# Altium PCB PCB1.PcbDoc
Units mm, origin at the board's own origin, x right, y up, seen from the top; angles counter-clockwise.
Board outline 100 x 70 mm, 2 copper layers (Top Layer, Bottom Layer); 150 components, 152 nets, 619 pads, 1 vias.
Unrouted connection lines stored in the file: 379.
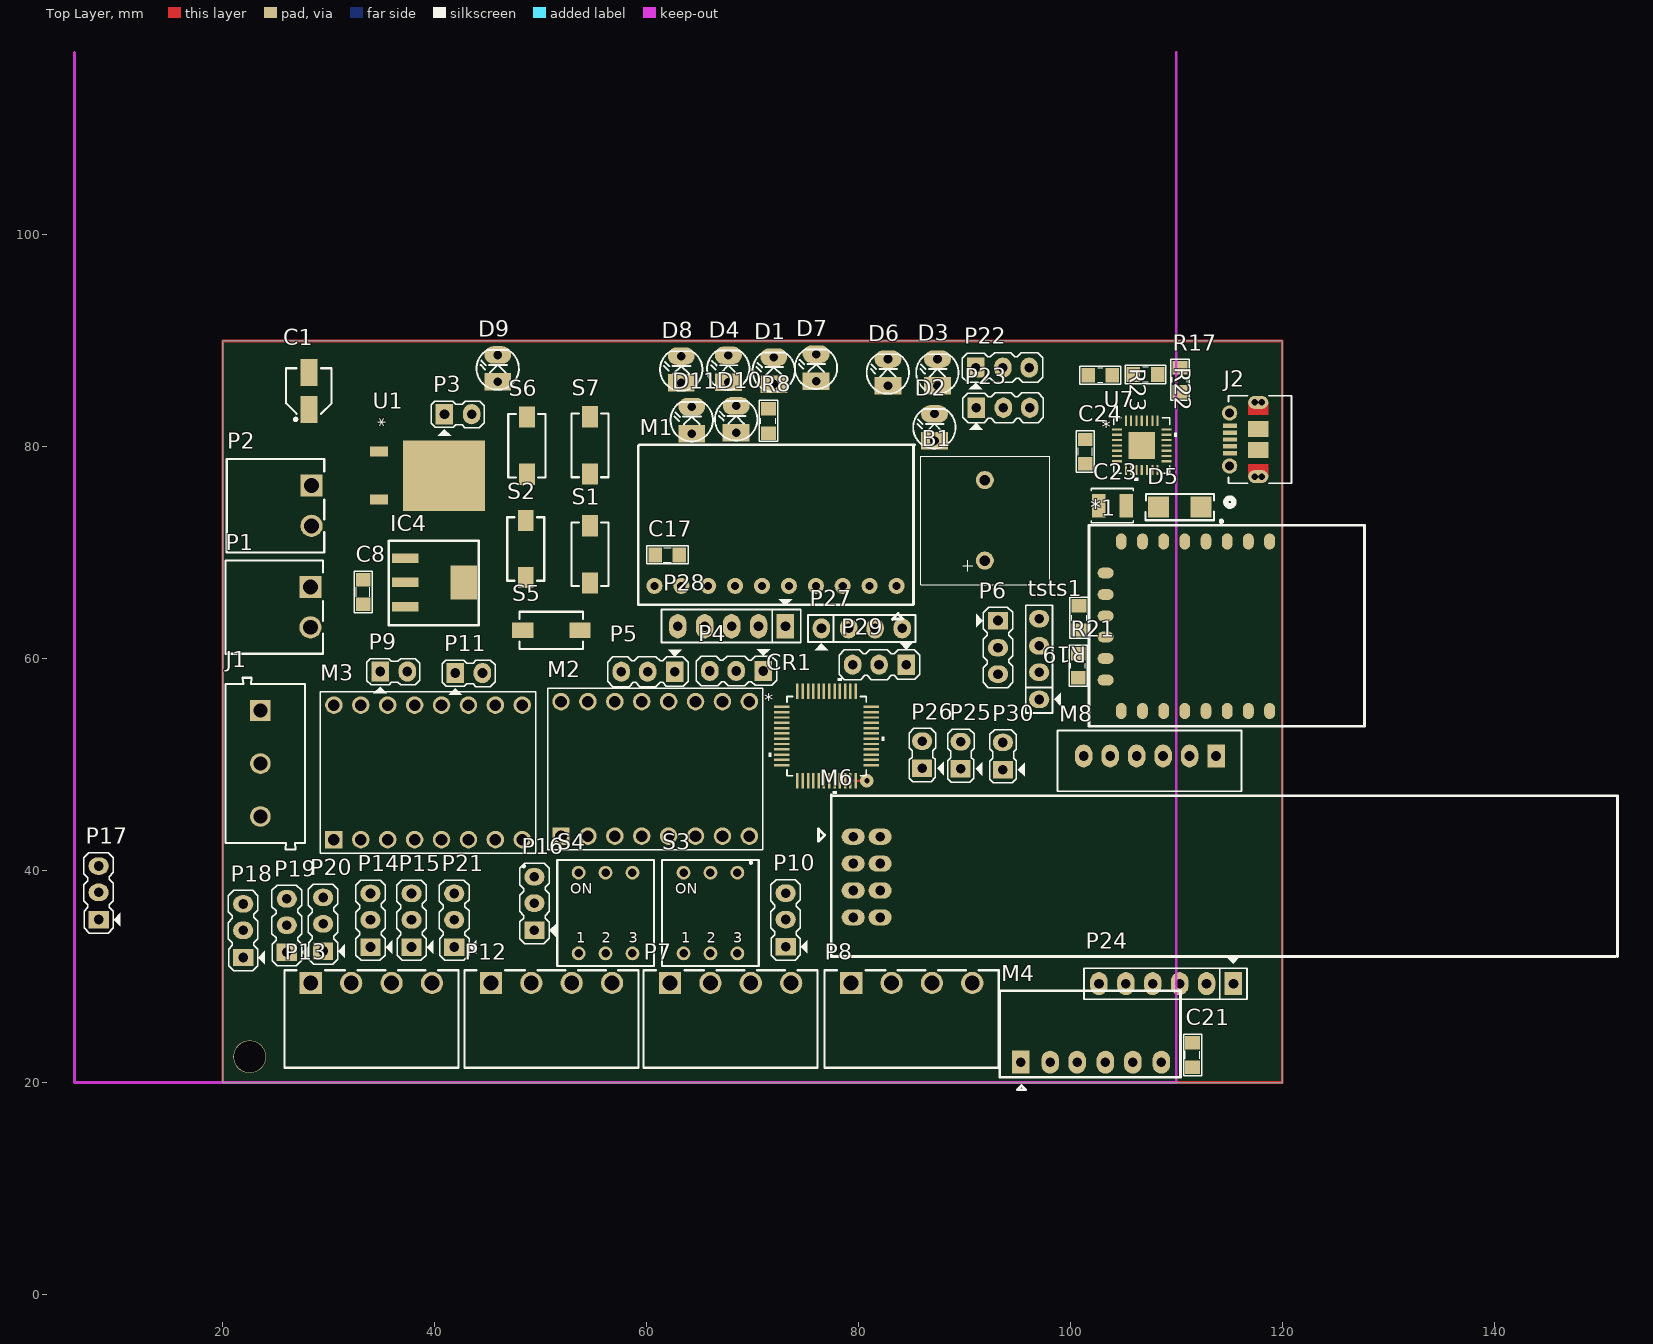
[diagram p0: Top Layer view]
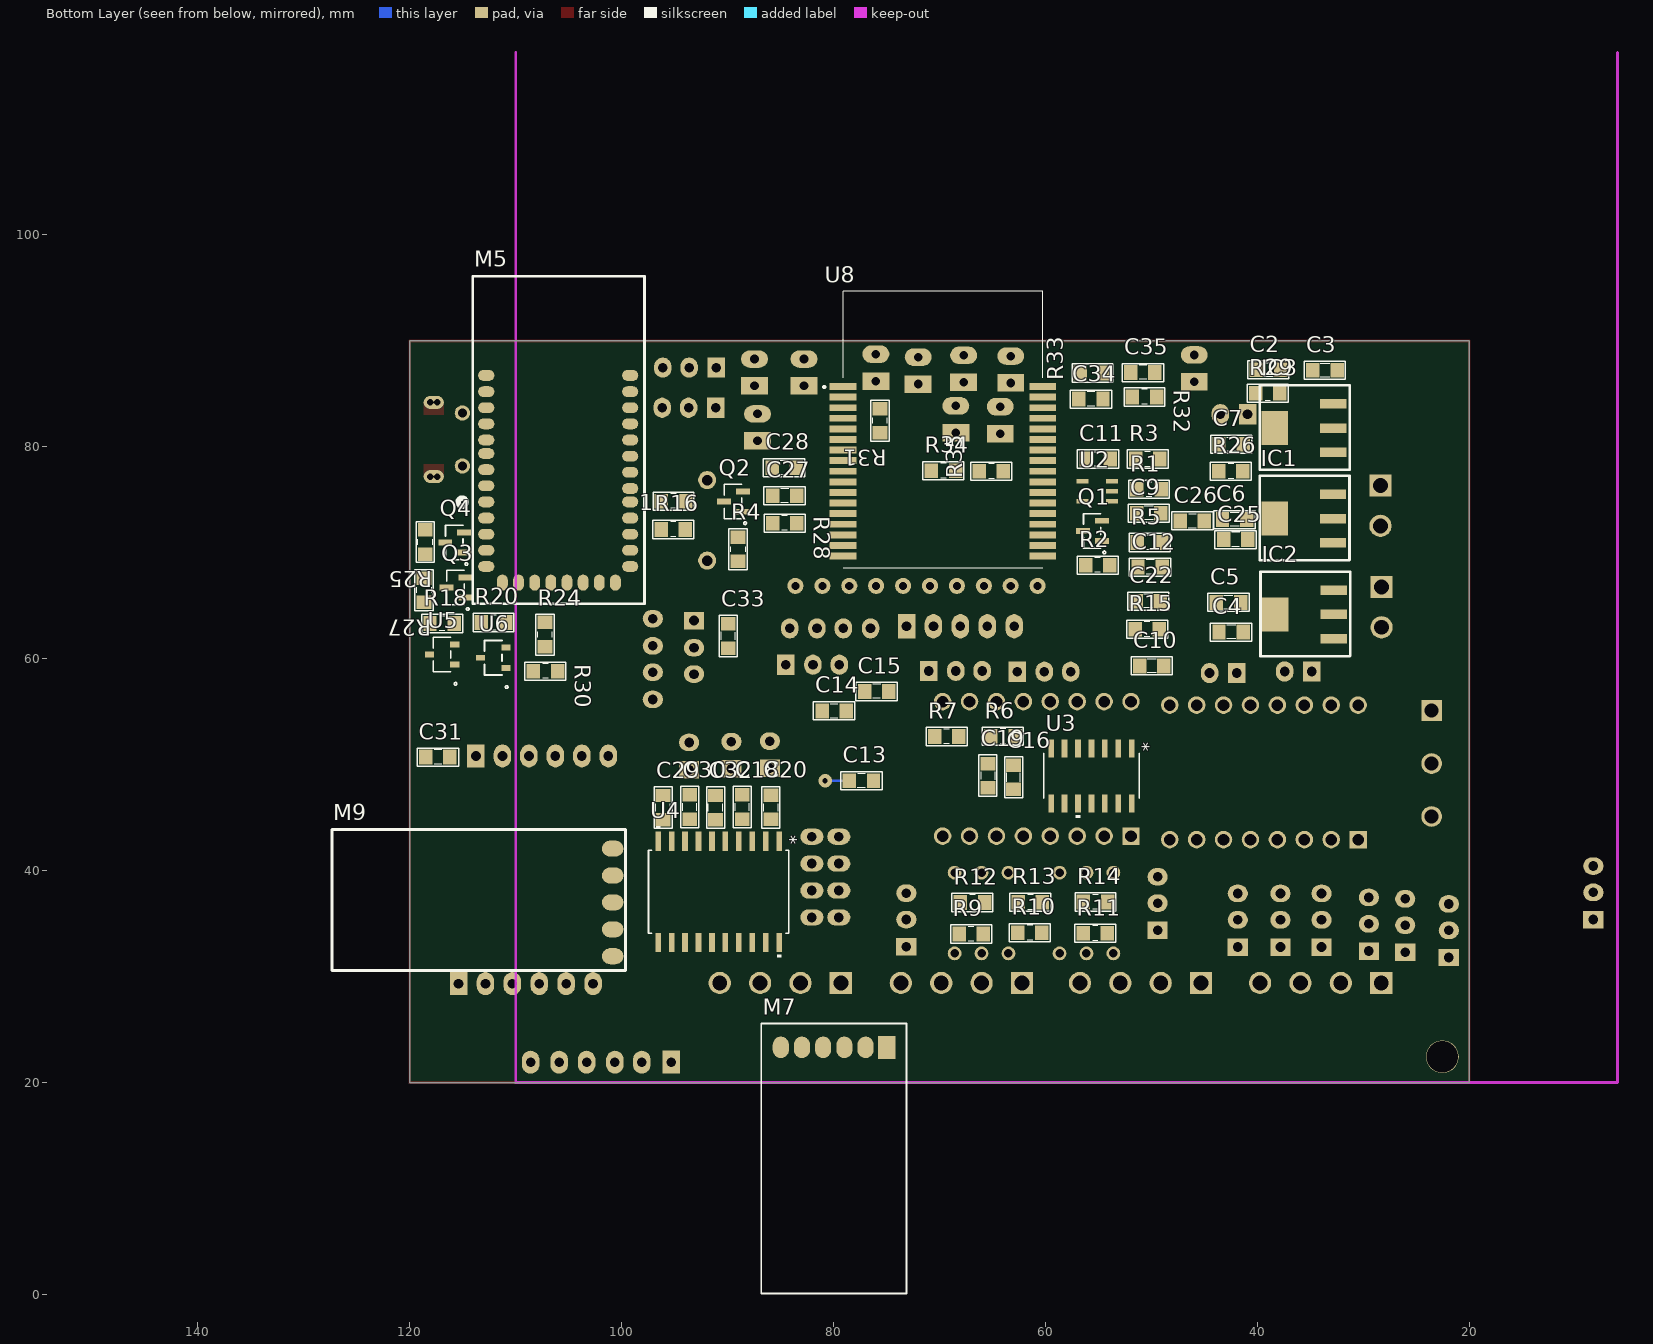
[diagram p1: Bottom Layer view, seen from below]

## Layer stack, top to bottom
Top Solder: solder mask 0.0102, Solder Resist, Dk 3.5
Top Layer: signal copper 0.0356
Dielectric 1: dielectric 0.32, FR-4, Dk 4.8
Bottom Layer: signal copper 0.0356
Bottom Solder: solder mask 0.0102, Solder Resist, Dk 3.5

## Board outline
20,20 20,90 120,90 120,20

## Design rules (kind name [scope] priority, off if disabled: settings)
Clearance [All] p1: gap=0.203 ignorepadtopadclearanceinfootprint=FALSE except(0: Arc-Hole Track-Hole SMDPad-Hole THPad-Hole Via-Hole Fill-Hole Poly-Hole Region-Hole Text-Hole)
DiffPairsRouting [All] p1: maxlimit=0.254 minlimit=0.203 mostfreqgap=0.254 toplayer_minwidth=0.203 toplayer_maxwidth=0.305 toplayer_prefwidth=0.305 bottomlayer_minwidth=0.203 bottomlayer_maxwidth=0.305 bottomlayer_prefwidth=0.305 maxuncoupledlength=12.7
Height [All] p1: minheight=0 maxheight=254 prefheight=12.7
PolygonConnect [All] p1: connectstyle=Relief reliefconductorwidth=0.254 reliefentries=4 polygonreliefangle="90 Angle" airgapwidth=0.254
RoutingVias [All] p1: holewidth=0.508 width=1.27 viastyle="Through Hole" minholewidth=0.381 minwidth=1.27 maxholewidth=0.711 maxwidth=1.27
SolderMaskExpansion [All] p1: expansion=0.102
Width [All] p1: maxlimit=0.381 minlimit=0.203 preferedwidth=0.254 minimp=50.000000 maximp=50.000000 favimp=50.000000
28 further rules are at their usual default settings.

## Classes and differential pairs
component class Sheet8: C3 C4 C15 D5 D6 D7 D8 D9 D10 P17 P20 P24 P25 R5 R21 R28 R29 R30 R31 R32 R33 S6 S7 tsts1 U8
component class Sheet7: C3 C4 C32 C33 M6 M7 M8 M9 P16 P20 P25
component class Sheet6: *1 C23 C24 C28 C29 C31 C33 D1 D4 J2 Q2 Q3 R5 R6 R7 R12 R15 R16 R17 R21 R22 R23 U3 U5 U6
component class Sheet5: 1 C13 C14 D2 D3 M4 M5 P23 P28 R3 R15 S5
component class Sheet4: C5 C12 C28 M1 M3 P1 P3 P11 P12 P13 P14 P15 P17 P19 P22 P23 P24 P25 R6 R12 R13 R14 R24 R26 S1 S2 U3
component class Sheet3: C27 C29 M1 P9 P12 U3
component class Sheet2: B1 C5 C16 C21 C22 C24 CR1 D1 J1 P4 P8 P9 Q2 R1 R4 R6 R10 R12 R24 S1 S2
component class Sheet1: C1 C2 C3 C4 C5 C12 C16 C21 C22 C27 IC1 IC2 IC3 IC4 P2 P8 P9 Q2 R1 U2 U3

## Components (designator, comment, footprint, x,y, rotation, side; value= is the part's Value field where it differs from the comment)
1 "Res-1K-0805" RES-SM-0805 96.241,74.869 r180 bottom value=470
*1 "ESP8266-12F" ESP8266 104.8,71.069 r270 top
B1 "Buzzer 5v" "Buzzer 5v" 91.923,69.266 r90 top
C1 "Cap Pol SMD" "CAP ALU SIZE B" 28.118,85.268 r90 top value=100uF
C2 "Cap-10uF-50V-0805" CAP-SM-0805 40.081,87.274 r180 bottom value=10uF/50V
C3 "Cap-10uF-50V-0805" CAP-SM-0805 34.747,87.224 r180 bottom value=10uF/50V
C4 "Cap-10uF-50V-0805" CAP-SM-0805 43.612,62.535 r180 bottom value=10uF/50V
C5 "Cap-10uF-50V-0805" CAP-SM-0805 41.58,65.303 r0 bottom value=10uF/50V
C6 "Cap-10uF-50V-0805" CAP-SM-0805 43.282,73.152 r180 bottom value=10uF/50V
C7 "Cap-10uF-50V-0805" CAP-SM-0805 41.326,80.239 r0 bottom value=10uF/50V
C8 "Cap-10uF-50V-0805" CAP-SM-0805 33.249,67.437 r270 top value=10uF/50V
C9 "Cap-100nF-50V-0805" CAP-SM-0805 49.098,73.736 r0 bottom value=100nF/50V
C10 "Cap-10uF-50V-0805" CAP-SM-0805 48.819,59.309 r0 bottom value=10uF/50V
C11 "Cap-1nF-50V-0805" CAP-SM-0805 53.873,78.842 r0 bottom value=100nF/50V
C12 "Cap-1nF-50V-0805" CAP-SM-0805 51.257,68.656 r180 bottom value=100nF/50V
C13 "Cap-1nF-50V-0805" CAP-SM-0805 76.225,48.489 r0 bottom value=100nF/50V
C14 "Cap-1nF-50V-0805" CAP-SM-0805 78.791,55.067 r0 bottom value=100nF/50V
C15 "Cap-1nF-50V-0805" CAP-SM-0805 77.064,56.921 r180 bottom value=100nF/50V
C16 "Cap Non-Pol SMD" CAP-SM-0805 63.017,47.676 r90 bottom value=100nF/50V
C17 "Cap-1nF-50V-0805" CAP-SM-0805 63.094,69.799 r180 top value=100nF/50V
C18 "Cap-10uF-50V-0805" CAP-SM-0805 88.621,44.856 r90 bottom value=100nF/50V
C19 "Cap-1nF-50V-0805" CAP-SM-0805 65.405,50.11 r270 bottom value=100uF/16V
C20 "Cap-1nF-50V-0805" CAP-SM-0805 85.903,47.117 r270 bottom value=220uF/35V
C21 "Cap-1nF-50V-0805" CAP-SM-0805 111.531,21.463 r90 top value=100nF/50V
C22 "Cap-1nF-50V-0805" CAP-SM-0805 51.435,65.43 r180 bottom value=100nF/50V
C23 "TAJB107M006RNJ" TAJB107M006RNJ 103.962,74.447 r0 top
C24 "Cap-1nF-50V-0805" CAP-SM-0805 101.397,80.696 r270 top value=1nF/50V
C25 "Cap-1nF-50V-0805" CAP-SM-0805 43.18,71.247 r180 bottom value=10uF/50V
C26 "Cap-1nF-50V-0805" CAP-SM-0805 44.983,73 r0 bottom value=100nF/50V
C27 "Cap-1nF-50V-0805" CAP-SM-0805 85.75,75.387 r180 bottom value=10uF/50V
C28 "Cap-1nF-50V-0805" CAP-SM-0805 85.801,78.029 r180 bottom value=100nF/50V
C29 "Cap-1nF-50V-0805" CAP-SM-0805 96.088,44.806 r90 bottom value=100nF/50V
C30 "Cap-1nF-50V-0805" CAP-SM-0805 93.574,44.856 r90 bottom value=100nF/50V
C31 "Cap-1nF-50V-0805" CAP-SM-0805 118.491,50.724 r180 bottom value=100nF/50V
C32 "Cap-1nF-50V-0805" CAP-SM-0805 91.135,44.806 r90 bottom value=100nF/50V
C33 "Cap-1nF-50V-0805" CAP-SM-0805 89.941,61.011 r90 bottom value=100nF/50V
C34 "Cap-4.7uF-50V-0805" CAP-SM-0805 56.845,84.506 r180 bottom value=100nF/50V
C35 "Cap-4.7uF-50V-0805" CAP-SM-0805 51.943,87.02 r180 bottom value=100nF/50V
CR1 "STM32F103C8T6" STM32F103C8T6 76.987,52.705 r0 top locked
D1 "LED-RED-TH-3mm" LED-3mm 72.009,85.928 r90 top value=Red,2V
D2 "LED-BLUE-TH-3mm" LED-3mm 87.173,80.569 r90 top value=Blue,2V
D3 "LED-RED-TH-3mm" LED-3mm 87.452,85.75 r90 top value=Red,2V
D4 "LED-RED-TH-3mm" LED-3mm 67.716,86.106 r90 top value=Red
D5 "SS14" SS14 110.319,74.32 r180 top
D6 "LED-RED-TH-3mm" LED-3mm 82.779,85.75 r90 top value=Red
D7 "LED-RED-TH-3mm" LED-3mm 75.997,86.208 r90 top value=Red
D8 "LED-BLUE-TH-3mm" LED-3mm 63.271,86.03 r90 top value=Blue
D9 "LED-GREEN-TH-3mm" LED-3mm 45.949,86.131 r90 top value=Green
D10 "LED-RED-TH-3mm" LED-3mm 68.453,81.331 r90 top value=Red,2V
D11 "LED-RED-TH-3mm" LED-3mm 64.262,81.255 r90 top value=Red,2V
IC1 "AMS1117" AMS1117 35.611,73.228 r90 bottom
IC2 "AMS1117" AMS1117 35.535,64.186 r90 bottom
IC3 "AMS1117" AMS1117 35.585,81.763 r90 bottom
IC4 "AMS1117" AMS1117 39.98,67.208 r270 top
J1 "691102710003" 691102710003 23.996,50.11 r270 top
J2 "105017-0001" CONN_105017-0001 117.899,80.695 r90 top
M1 "GY 9250" "GY 9250" 83.591,66.878 r90 top locked
M2 "DRV8825" DRV8825 60.808,49.606 r90 top
M3 "DRV8825" DRV8825 39.37,49.276 r90 top
M4 "HC05-06-TH" HC-05-06-TH 95.301,21.92 r270 top
M5 "HC-05-06-SMD" HC-05-06-SMD 112.776,68.707 r180 bottom
M6 "NRF24L01" NRF24L01 79.502,43.205 r180 top
M7 "LC12S" LC12S 74.975,23.317 r90 bottom
M8 "Holybro Radio" Holybro 113.748,50.825 r90 top
M9 "HC12" HC12 100.836,42.08 r0 bottom
P1 "691322310002" 691322310002 24.867,64.872 r270 top
P2 "691322310002" 691322310002 24.968,74.447 r270 top
P3 "Header 2" JP2 40.919,83.083 r0 top
P4 "Header 3" jp3 68.478,58.852 r180 top
P5 "" jp3 60.122,58.776 r180 top
P6 "" jp3 93.167,61.062 r270 top
P7 "691322310004" 691322310004 67.925,26 r0 top
P8 "691322310004" 691322310004 85.02,26 r0 top
P9 "Header 2" JP2 34.849,58.801 r0 top
P10 "Header 3" JP3 73.127,35.357 r90 top
P11 "Header 2" JP2 41.935,58.649 r0 top
P12 "691322310004" 691322310004 51.02,26 r0 top
P13 "691322310004" 691322310004 34.02,26 r0 top
P14 "Header 3" JP3 33.931,35.33 r90 top
P15 "Header 3" JP3 37.813,35.33 r90 top
P16 "Header 3" JP3 49.403,36.906 r90 top
P17 "Header 3" JP3 8.28,37.922 r90 top
P18 "Header 3" JP3 21.92,34.341 r90 top
P19 "Header 3" JP3 26.035,34.823 r90 top
P20 "Header 3" JP3 29.464,34.95 r90 top
P21 "Header 3" JP3 41.839,35.33 r90 top
P22 "Header 3" JP3 93.599,87.478 r0 top
P23 "Header 3" JP3 93.65,83.693 r0 top
P24 "Header 6" JP6 115.392,29.337 r180 top
P25 "Header 2" JP2 89.637,49.606 r90 top
P26 "Header 2" JP2 86.004,49.657 r90 top
P27 "Header 4" JP4 79.045,62.865 r0 top
P28 "Header 5" JP5 73.101,63.068 r180 top
P29 "Header 3" JP3 81.966,59.436 r180 top
P30 "Header 2" JP2 93.624,49.53 r90 top
Q1 "MMBT3904-1AM" SOT23_NEX 55.581,72.072 r90 bottom
Q2 "MMBT3904-1AM" SOT23_NEX 89.484,74.828 r90 bottom
Q3 "S8050" SOT23_NEX 115.663,66.726 r90 bottom
Q4 "S8050" SOT23_NEX 115.799,70.968 r90 bottom
R1 "Res-1K-0805" RES-SM-0805 49.073,75.997 r0 bottom value=4.7K
R2 "Res-1K-0805" RES-SM-0805 56.21,68.834 r180 bottom value=100K
R3 "Res-0-0805" RES-SM-0805 49.2,78.842 r0 bottom value=10K
R4 "Res-12K-0805" RES-SM-0805 89.002,71.476 r270 bottom value=15K
R5 "Res-0-0805" RES-SM-0805 51.308,70.968 r180 bottom value=10K
R6 "Res-1K-0805" RES-SM-0805 65.151,52.68 r180 bottom value=100K
R7 "Res-1K-0805" RES-SM-0805 70.46,52.654 r180 bottom value=100K
R8 "Res-0-0805" RES-SM-0805 71.501,81.305 r90 top value=10K
R9 "Res-1K-0805" RES-SM-0805 68.148,34.011 r180 bottom value=1K
R10 "Res-1K-0805" RES-SM-0805 62.611,34.138 r180 bottom value=1K
R11 "Res-1K-0805" RES-SM-0805 56.439,34.087 r180 bottom value=1K
R12 "Res-1K-0805" RES-SM-0805 68.026,37 r180 bottom value=1K
R13 "Res-1K-0805" RES-SM-0805 62.56,37.008 r180 bottom value=1K
R14 "Res-1K-0805" RES-SM-0805 56.413,37.033 r180 bottom value=1K
R15 "Res-0-0805" RES-SM-0805 49.251,62.789 r0 bottom value=10K
R16 "Res-1K-0805" RES-SM-0805 96.266,72.212 r180 bottom value=470
R17 "Res-0-0805" RES-SM-0805 110.338,85.192 r90 top value=12K
R18 "Res-470-0805" RES-SM-0805 118.085,63.322 r180 bottom value=1K
R19 "Res-0-0805" RES-SM-0805 100.813,64.999 r270 top value=12K
R20 "Res-470-0805" RES-SM-0805 110.947,63.424 r0 bottom value=1K
R21 "Res-0-0805" RES-SM-0805 100.736,58.191 r90 top value=12K
R22 "Res-0-0805" RES-SM-0805 105.943,86.843 r0 top value=12K
R23 "Res-0-0805" RES-SM-0805 101.676,86.766 r0 top value=12K
R24 "Res-470-0805" RES-SM-0805 107.239,63.424 r270 bottom value=1K
R25 "Res-0-0805" RES-SM-0805 118.542,72.161 r270 bottom value=12K
R26 "Res-470-0805" RES-SM-0805 41.351,77.699 r0 bottom value=1K
R27 "Res-0-0805" RES-SM-0805 118.643,67.615 r270 bottom value=12K
R28 "Res-0-0805" RES-SM-0805 85.75,72.796 r180 bottom value=1K
R29 "Res-0-0805" RES-SM-0805 37.871,85.065 r0 bottom value=1K
R30 "Res-0-0805" RES-SM-0805 108.331,58.826 r180 bottom value=1K
R31 "Res-0-0805" RES-SM-0805 75.616,83.617 r270 bottom value=1K
R32 "Res-1K-0805" RES-SM-0805 51.791,84.709 r180 bottom value=10K
R33 "Res-1K-0805" RES-SM-0805 54.407,86.97 r0 bottom value=10K
R34 "Res-1K-0805" RES-SM-0805 68.478,77.749 r0 bottom value=1K
R35 "Res-1K-0805" RES-SM-0805 63.957,77.699 r0 bottom value=1K
S1 "434113043826" 434113043826 54.661,69.85 r90 top
S2 "434113043826" 434113043826 48.59,70.358 r90 top
S3 "418117170903" 418117170903 66.026,36 r0 top
S4 "418117170903" 418117170903 56.121,36 r0 top
S5 "434113043826" 434113043826 51.003,62.687 r180 top
S6 "434113043826" 434113043826 48.692,80.112 r90 top
S7 "434113043826" 434113043826 54.661,80.137 r90 top
tsts1 "Header 4" JP4 97.053,58.699 r90 top
U1 "L7805-SMD" L7805-SMD 40.869,77.292 r270 top
U2 "XC6204B181MR" XC6204B332MR 55.118,75.819 r0 bottom
U3 "74HC14D,652" 74HC14D,652 55.651,48.946 r270 bottom
U4 "74HC245" 74HC245,625 90.836,38 r270 bottom
U5 "IRLML6402TRPBF" IRLML6402TRPBF 116.942,60.401 r90 bottom
U6 "IRLML6402TRPBF" IRLML6402TRPBF 112.116,60.096 r90 bottom
U7 "CP2102-GM" cp2102-gm 106.734,80.137 r0 top
U8 "DWM1001" DWM1001 69.977,81.61 r180 bottom

## Footprints (in the part's own frame and the unit in brackets; to place one, negate y for a bottom-side part, rotate by r counter-clockwise, add the part's x,y. Pads: shape width x height; smd on the part's side, far side on the other; paste and mask are expansions set on the pad)
74HC14D,652 [mil]
  rect 67x21 smd paste+0 mask+0: 1(-102.5,150) 2(-102.5,100) 3(-102.5,50) 4(-102.5,0) 5(-102.5,-50) 6(-102.5,-100) 7(-102.5,-150) 8(102.5,-150) 9(102.5,-100) 10(102.5,-50) 11(102.5,0) 12(102.5,50) 13(102.5,100) 14(102.5,150)
  silkscreen extent -84,-177 156,177, body extent -122,-172 122,172, height 69
74HC245,625 [mil]
  rect 71x21 smd paste+0 mask+0: 1(-188,225) 2(-188,175) 3(-188,125) 4(-188,75) 5(-188,25) 6(-188,-25) 7(-188,-75) 8(-188,-125) 9(-188,-175) 10(-188,-225) 11(188,-225) 12(188,-175) 13(188,-125) 14(188,-75) 15(188,-25) 16(188,25) 17(188,75) 18(188,125) 19(188,175) 20(188,225)
  silkscreen extent -244,-261 244,261, body extent -209,-256 209,256, height 104
418117170903 [mm] "2.54 mm compact THT with flat actuator, 3p"
  round 1.3 hole 0.8: 1(-2.54,-3.81) 2(0,-3.81) 3(2.54,-3.81) 4(2.54,3.81) 5(0,3.81) 6(-2.54,3.81)
  silkscreen extent -4.56,-5 4.56,5, body extent -4.46,-4.95 4.46,4.95, height 5.75
434113043826 [mm] "SMD Tact Switch, body 6x3.5mm"
  rect 2x1.5 smd: 1(-2.7,0) 2(2.7,0)
  silkscreen extent -3,-1.75 3,1.75, body extent -3.65,-1.75 3.65,1.75, height 4.3
691102710003 [mm] "5,00mm - modular - blue - Horizontal entry with pressure clamp - 9,9 mm height - 03p"
  rect 1.95x1.95 hole 1.3: 1(-5,-0.45)
  round 1.95 hole 1.3: 2(0,-0.45) 3(5,-0.45)
  silkscreen extent -8.1,-3.75 8.1,3.75, body extent -8.1,-3.75 8.1,3.75, height 9.96
691322310002 [mm] "Horizontal PCB Header, pitch 3.81mm, 02p"
  rect 2.1x2.1 hole 1.4: 1(-1.905,3.4)
  round 2.1 hole 1.4: 2(1.905,3.4)
  silkscreen extent -4.4,-4.6 4.41,4.6, body extent -4.4,-4.6 4.41,4.6, height 7.25
691322310004 [mm] "Horizontal PCB Header, pitch 3.81mm, 04p"
  rect 2.1x2.1 hole 1.4: 1(-5.715,3.4)
  round 2.1 hole 1.4: 2(-1.905,3.4) 3(1.905,3.4) 4(5.715,3.4)
  silkscreen extent -8.21,-4.6 8.22,4.6, body extent -8.21,-4.6 8.21,4.6, height 7.25
AMS1117 [mil]
  rect 35x98 smd paste+0 mask+3: 1(-90.16,-108.5) 2(0,-108.5) 3(90.16,-108.5)
  rect 126x98 smd paste+0 mask+3: 4(0,108.5)
  silkscreen extent -155,-170 159,164, body extent -132,-143 132,145, height 71
"Buzzer 5v" [mm]
  round 1.7 hole 1 mask+0.05: 1(0,0) 2(7.6,0)
  silkscreen extent -2.27,-6.12 9.85,6.02, body extent -2.2,-6.05 9.8,5.95, height 9.5
"CAP ALU SIZE B" [mm] "Capacitor, Aluminium Electrolytric, 4.3mm L X 4.3mm W X 5.4mm H, IPC Medium Density"
  rect 2.55x1.6 smd: 1(-1.75,0) 2(1.75,0)
  silkscreen extent -2.8,-2.15 2.15,2.15, body extent -2.75,-2.25 2.75,2.25, height 5.7
CAP-SM-0805 [mil]
  rect 50x55 smd: 1(0,0) 2(90,0)
  silkscreen extent -32,-34 121,33, body extent 6,-25 84,25, height 31
CONN_105017-0001 [mil]
  rect 16x53 smd: 1(-51.18,112) 2(-25.59,112) 3(0,112) 4(25.59,112) 5(51.18,112)
  round 57 hole 33: 6(-98.43,112.98) 7(98.43,112.98)
  rect 59x75 smd: 10(-39.37,6.69) 11(39.37,6.69)
  oval 48x75 hole 1 mask+0: S_1(-137.8,6.69) S_2(137.8,6.69)
  round 24 hole 24: S_1_H1(-137.8,20.19) S_1_H2(-137.8,-6.81) S_2_H1(137.8,20.19) S_2_H2(137.8,-6.81)
  Top Layer region: 91.8,-30.81 91.8,44.19 137.8,44.19 137.8,-30.81
  Top Layer region: -91.8,-30.81 -91.8,44.19 -137.8,44.19 -137.8,-30.81
  Multi-Layer lines w24: -137.8,20.19 -137.8,-6.81 ; 137.8,20.19 137.8,-6.81
  silkscreen extent -247,-117 162,127, body extent -161,-95 161,118, height 108
cp2102-gm [mil]
  rect 38x8 smd paste+0 mask+0: 1(-91.5,59.06) 2(-91.5,39.37) 3(-91.5,19.68) 4(-91.5,0) 5(-91.5,-19.68) 6(-91.5,-39.37) 7(-91.5,-59.06) 15(91.5,-59.06) 16(91.5,-39.37) 17(91.5,-19.68) 18(91.5,0) 19(91.5,19.68) 20(91.5,39.37) 21(91.5,59.06)
  rect 8x38 smd paste+0 mask+0: 8(-59.06,-91.5) 9(-39.37,-91.5) 10(-19.68,-91.5) 11(0,-91.5) 12(19.69,-91.5) 13(39.37,-91.5) 14(59.06,-91.5) 22(59.06,91.5) 23(39.37,91.5) 24(19.69,91.5) 25(0,91.5) 26(-19.68,91.5) 27(-39.37,91.5) 28(-59.06,91.5)
  rect 100x100 smd paste-65.5 mask+0: 29(0,0)
  silkscreen extent -104,-130 130,104, body extent -98,-98 99,99, height 37
DRV8825 [mm]
  round 1.65 hole 1.1: 1(-6.35,-8.89) 2(-6.35,-6.35) 3(-6.35,-3.81) 4(-6.35,-1.27) 5(-6.35,1.27) 6(-6.35,3.81) 7(-6.35,6.35) 9(6.35,8.89) 10(6.35,6.35) 11(6.35,3.81) 12(6.35,1.27) 13(6.35,-1.27) 14(6.35,-3.81) 15(6.35,-6.35) 16(6.35,-8.89)
  rect 1.65x1.65 hole 1.1: 8(-6.35,8.89)
  silkscreen extent -8.95,-10.16 7.62,10.16, body extent -7.75,-10.03 7.49,10.29, height 5.89
DWM1001 [mm]
  rect 2.54x0.65 smd: 1(-9.115,4.085) 2(-9.115,3.085) 3(-9.115,2.085) 4(-9.115,1.085) 5(-9.115,0.085) 6(-9.115,-0.915) 7(-9.115,-1.915) 8(-9.115,-2.915) 9(-9.115,-3.915) 10(-9.115,-4.915) 11(-9.115,-5.915) 12(-9.115,-6.915) 13(-9.115,-7.915) 14(-9.115,-8.915) 15(-9.115,-9.915) 16(-9.115,-10.915) 17(-9.115,-11.915) 18(9.725,-11.915) 19(9.725,-10.915) 20(9.725,-9.915) 21(9.725,-8.915) 22(9.725,-7.915) 23(9.725,-6.915) 24(9.725,-5.915) 25(9.725,-4.915) 26(9.725,-3.915) 27(9.725,-2.915) 28(9.725,-1.915) 29(9.725,-0.915) 30(9.725,0.085) 31(9.725,1.085) 32(9.725,2.085) 33(9.725,3.085) 34(9.725,4.085)
  silkscreen extent -10.99,-13.07 9.72,13.07, body extent -9.23,-13.01 9.9,13.11, height 3.2
ESP8266 [mil]
  oval 60x40 smd: 1(0,551.18) 2(0,472.44) 3(0,393.7) 4(0,314.96) 5(0,236.22) 6(0,157.48) 7(0,78.74) 8(0,0) 15(629.92,0) 16(629.92,78.74) 17(629.92,157.48) 18(629.92,236.22) 19(629.92,314.96) 20(629.92,393.7) 21(629.92,472.44) 22(629.92,551.18)
  oval 40x60 smd: 9(117,-58) 10(197,-58) 11(277,-58) 12(355,-58) 13(435,-58) 14(515,-58)
  silkscreen extent -60,-120 687,904, body extent 1,-60 631,885, height 104
"GY 9250" [mil]
  round 60 hole 30: 1(0,900) 2(0,800) 3(0,700) 4(0,600) 5(0,500) 6(0,400) 7(0,300) 8(0,200) 9(0,100) 10(0,0)
  silkscreen extent -125,-68 525,960, body extent -60,-50 530,950, height 267
HC12 [mil]
  oval 80x60 smd: 1(0,0) 2(0,100) 3(0,200) 4(0,300) 5(0,400)
  silkscreen extent -47,-71 1043,453, body extent -47,-71 1043,453, height 1025
HC-05-06-SMD [mil]
  oval 60x40 smd: 1(0,710) 2(0,650) 3(0,590) 4(0,530) 5(0,470) 6(0,420) 7(0,360) 8(0,300) 9(0,240) 10(0,180) 11(0,120) 12(0,60) 13(0,0) 22(535,0) 23(535,60) 24(535,120) 25(535,180) 26(535,240) 27(535,290) 28(535,350) 29(535,410) 30(535,470) 31(535,530) 32(535,590) 33(535,650) 34(535,710)
  oval 40x60 smd: 14(60,-60) 15(120,-60) 16(180,-60) 17(240,-60) 18(300,-60) 19(360,-60) 20(420,-60) 21(480,-60)
  silkscreen extent -50,-138 588,1079, body extent -9,-68 543,1035, height 93
HC-05-06-TH [mil]
  rect 85x65 hole 36: 1(0,0)
  oval 85x65 hole 36: 2(0,110) 3(0,210) 4(0,315) 5(0,417) 6(0,523)
  silkscreen extent -265,-78 103,594, body extent -242,-49 16,581, height 1628
Holybro [mil]
  rect 85x65 hole 36: 1(0,0)
  oval 85x65 hole 36: 2(0,98.43) 3(0,196.85) 4(0,295.28) 5(0,393.7) 6(0,492.13)
  silkscreen extent -131,-94 94,589, body extent -134,-96 96,588, height 284
IRLML6402TRPBF [mil]
  rect 22x34 smd paste+0 mask+0: 1(-37.5,-47) 2(37.5,-47) 3(0,47)
  silkscreen extent -114,-55 64,33, body extent -59,-50 59,50, height 43
JP2 [mil]
  rect 65x75 hole 36: 1(0,0)
  oval 65x75 hole 36: 2(101,0)
  silkscreen extent -49,-81 148,48, body extent -48,-50 148,48, height 323
jp3 [mil] "Jumper 3"
  rect 65x75 hole 36: 1(-100,0)
  oval 65x75 hole 36: 2(1,0) 3(99,0)
  silkscreen extent -150,-81 149,55, body extent -150,-60 150,55, height 355
JP3 [mil] "Jumper 3"
  rect 65x75 hole 36: 1(-100,0)
  oval 65x75 hole 36: 2(1,0) 3(99,0)
  silkscreen extent -150,-81 149,55, body extent -150,-60 150,55, height 355
JP4 [mil] "Jumper 4"
  oval 65x75 hole 36: 1(-100,0) 2(1,0) 3(99,0) 4(200,0)
  silkscreen extent -150,-81 250,50, body extent -148,-48 248,50, height 323
JP5 [mil] "JP5"
  rect 65x90 hole 36: 1(0,0)
  oval 65x90 hole 36: 2(100,0) 3(200,0) 4(300,0) 5(400,0)
  silkscreen extent -57,-101 461,60, body extent -48,-53 448,45, height 323
JP6 [mil] "JP6"
  rect 65x85 hole 36: 1(0,0)
  oval 65x85 hole 36: 2(100,0) 3(200,0) 4(300,0) 5(400,0) 6(500,0)
  silkscreen extent -50,-99 556,58, body extent -48,-50 548,48, height 323
L7805-SMD [mil]
  rect 37x67 smd paste+0 mask+0: 1(-88.58,-240.5) 2(88.58,-240.5)
  rect 262x304 smd paste+0 mask+0: 3(0,0)
  body extent -130,-252 130,93, height 95
LC12S [mil]
  rect 85x65 smd: 1(0,0)
  oval 80x60 smd: 2(0,78.74) 3(0,157.48) 4(0,236.22) 5(0,314.96) 6(0,393.7)
  silkscreen extent -914,-73 89,466, body extent -914,-236 3,466, height 87
LED-3mm [mil] "LED 2 PIN, 3ly Only colour"
  rect 65x100 hole 32: 1(0,0)
  oval 65x100 hole 32: 2(100,0)
  silkscreen extent -29,-78 118,79, body extent -25,-75 113,75, height 217
NRF24L01 [mil]
  oval 86x60 hole 36: 1(0,0) 2(-100,0) 3(0,100) 4(-100,100) 5(0,200) 6(-100,200) 7(0,300) 8(-100,300)
  silkscreen extent -2840,-155 129,445, body extent -2831,-155 82,445, height 3661
RES-SM-0805 [mil]
  rect 50x55 smd: 1(0,0) 2(90,0)
  silkscreen extent -31,-34 121,34, body extent -5,-24 95,25, height 20
SOT23_NEX [mil]
  rect 22x52 smd paste+0 mask+4: 1(-37.5,-37.21) 2(37.5,-37.21) 3(0,33.36)
  silkscreen extent -85,-50 64,33, body extent -59,-54 59,44, height 43
SS14 [mm] "DO-214-AC/SMA Molded Diode, Body 5.3x2.6mm, IPC Medium Density"
  rect 1.999x1.999 smd: 1(-2,0) 2(2,0)
  silkscreen extent -4.06,-1.22 3.23,1.47, body extent -2.75,-1.4 2.75,1.4, height 2.3
STM32F103C8T6 [mil]
  rect 58x9 smd paste+0 mask+0: 1(-166,108.27) 2(-166,88.58) 3(-166,68.9) 4(-166,49.21) 5(-166,29.53) 6(-166,9.84) 7(-166,-9.84) 8(-166,-29.53) 9(-166,-49.21) 10(-166,-68.9) 11(-166,-88.58) 12(-166,-108.27) 25(166,-108.27) 26(166,-88.58) 27(166,-68.9) 28(166,-49.21) 29(166,-29.53) 30(166,-9.84) 31(166,9.84) 32(166,29.53) 33(166,49.21) 34(166,68.9) 35(166,88.58) 36(166,108.27)
  rect 9x58 smd paste+0 mask+0: 13(-108.27,-166) 14(-88.58,-166) 15(-68.9,-166) 16(-49.21,-166) 17(-29.53,-166) 18(-9.84,-166) 19(9.84,-166) 20(29.53,-166) 21(49.21,-166) 22(68.9,-166) 23(88.58,-166) 24(108.27,-166) 37(108.27,166) 38(88.58,166) 39(68.9,166) 40(49.21,166) 41(29.53,166) 42(9.84,166) 43(-9.84,166) 44(-29.53,166) 45(-49.21,166) 46(-68.9,166) 47(-88.58,166) 48(-108.27,166)
  silkscreen extent -215,-215 215,215, body extent -180,-182 182,180, height 63
TAJB107M006RNJ [mil]
  rect 49.98x87 smd paste+0 mask+0: 1(-51.01,0) 2(51.01,0)
  silkscreen extent -78,-64 78,64, body extent -73,-59 73,59, height 85
XC6204B332MR [mil]
  rect 44.5x17 smd paste+0 mask+0: 1(-54.75,37.4) 2(-54.75,0) 3(-54.75,-37.4) 4(54.75,-37.4) 5(54.75,37.4)
  body extent -55,-57 55,57, height 51

## Part data
1 R1 R2 R6 R7 R9 R10 R11 R12 R13 R14 R16 R32 R33 R34 R35: "RES 1K OHM 1% 1/4W 0805", Manufacturer="Stackpole Electronics Inc", Manufacturer Part Number=RNCP0805FTD1K00, Supplier 1 Part Number=RNCP0805FTD1K00CT-ND, Local Supplier=thegioiic, Local Supplier Link=https://thegioiic.com/products/dien-tro-1k-ohm-0805-5, Supplier 1=Digikey, Supplier 1 Link=https://www.digikey.com/product-detail/en/stackpole-electronics-inc/RNCP0805FTD1K00/RNCP0805FTD1K00CT-ND/2240568
C1: "Polarized Capacitor (Radial)"
C2 C3 C4 C5 C6 C7 C8 C10 C18: "CAP CER 10UF 50V X5R 0805", Manufacturer=Yageo, Manufacturer Part Number=CC0805KKX5R9BB106, Supplier 1 Part Number=311-3499-2-ND, Local Supplier=thegioiic, Local Supplier Link=https://thegioiic.com/products/tu-10uf-50v-0805, Supplier 1=Digikey, Supplier 1 Link=https://www.digikey.com/product-detail/en/yageo/CC0805KKX5R9BB106/311-3499-2-ND/7164383
C9: "CAP CER 0.1UF 50V Y5V 0805", Manufacturer="Samsung Electro-Mechanics", Manufacturer Part Number=CL21F104ZBCNNNC, Supplier 1 Part Number=1276-1007-1-ND, Local Supplier=thegioiic, Local Supplier Link=https://thegioiic.com/products/tu-100nf-0-1uf-50v-0805, Supplier 1=Digikey, Supplier 1 Link=https://www.digikey.com/product-detail/en/samsung-electro-mechanics/CL21F104ZBCNNNC/1276-1007-1-ND/3889093
C11 C12 C13 C14 C15 C17 C19 C20 C21 C22 C24 C25 C26 C27 C28 C29 C30 C31 C32 C33: "CAP CER 1000PF 100V X7R 0805", Manufacturer="Johanson Dielectrics Inc.", Manufacturer Part Number=101X15W102MV4E, Supplier 1 Part Number=709-1335-1-ND, Local Supplier=thegioiic, Local Supplier Link=https://thegioiic.com/products/tu-1nf-50v-0805, Supplier 1=Digikey, Supplier 1 Link=https://www.digikey.com/product-detail/en/johanson-dielectrics-inc/101X15W102MV4E/709-1335-1-ND/2327235
C16: "Capacitor"
C34 C35: "CAP CER 4.7UF 50V X5R 0805", Manufacturer="Murata Electronics", Manufacturer Part Number=GRM21BR61H475KE51L, Supplier 1 Part Number=490-10751-1-ND, Local Supplier=thegioiic, Local Supplier Link=https://thegioiic.com/products/tu-4-7uf-50v-0805-cap, Supplier 1=Digikey, Supplier 1 Link=https://www.digikey.com/product-detail/en/murata-electronics/GRM21BR61H475KE51L/490-10751-1-ND/5251349
D1 D3 D4 D6 D7 D10 D11: "LED RED CLEAR T-1 T/H", Manufacturer=Kingbright, Manufacturer Part Number=WP710A10SEC/J3, Supplier 1 Part Number=754-1589-ND, Local Supplier=thegioiic, Local Supplier Link=https://thegioiic.com/products/led-do-3mm-chan-dai, Supplier 1=Digikey, Supplier 1 Link=https://www.digikey.com/product-detail/en/kingbright/WP710A10SEC-J3/754-1589-ND/2769815
D2 D8: "LED BLUE CLEAR T-1 T/H", Manufacturer=Kingbright, Manufacturer Part Number=WP710A10QBC/D, Supplier 1 Part Number=754-1596-ND, Local Supplier=thegioiic, Local Supplier Link=https://thegioiic.com/products/led-xanh-duong-3mm-chan-dai, Supplier 1=Digikey, Supplier 1 Link=https://www.digikey.com/product-detail/en/kingbright/WP710A10QBC-D/754-1596-ND/2769812
D5: library part Diode-SS14, "DIODE SCHOTTKY 40V 1A SMA", Manufacturer="ON Semiconductor", Supplier 1 Part Number=SS14CT-ND, Local Supplier=thegioiic, Local Supplier Link=https://thegioiic.com/products/ss14-sma, Manufacturer Part Number=SS14, Supplier 1=Digikey, Supplier 1 Link=https://www.digikey.com/product-detail/en/on-semiconductor/SS14/SS14CT-ND/965729
D9: "LED GREEN CLEAR T-1 T/H", Manufacturer=Kingbright, Manufacturer Part Number=WP710A10ZGC/G, Supplier 1 Part Number=754-1612-ND, Local Supplier=thegioiic, Local Supplier Link=https://thegioiic.com/products/led-xanh-la-3mm-chan-dai, Supplier 1=Digikey, Supplier 1 Link=https://www.digikey.com/product-detail/en/kingbright/WP710A10ZGC-G/754-1612-ND/2769684
J1: "WR-TBL Serie 102 Horizontal Entry Modular, Pressure Clamp, pitch 5mm, 3p", Operating Temperature="-40 to +105degC", Rated Current [UL]=15A, Working Voltage [UL]=250VAC, Application="Pressure Clamp", Compliance="Lead free / RoHS", ComponentLink1Description=Manufacturer, ComponentLink1URL=http://www.we-online.de, ComponentLink2Description=Datasheet, ComponentLink2URL=https://katalog.we-online.de/em/datasheet/691102710003.pdf, Modularity=Yes, Mounting Technology=THT, Packaging=Box, Part Number=691102710003, PCB/Cable/Panel=PCB, Pin Number=3, Pitch=5mm, Published Date="October 2019", Publisher="Wurth Elektronik", Type=Horizontal
J2 U4 U5 U6: "No Description Available", Copyright="Copyright (C) 2018 Accelerated Designs. All rights reserved", RefDes=RefDes, Type=DEV
  J2: Built_By=EMA_Cory, Datasheet=https://www.molex.com/pdm_docs/sd/1050170001_sd.pdf, Manufacturer_Part_Number=105017-0001, SourceLibrary=Molex_2020-05-26, Vendor="Molex Connector Corporation"
  U4: Built_By=EMA_UL_Team, Manufacturer_Part_Number=74HC245, SourceLibrary=TI_2002-01-01_7, Vendor="Texas Instruments"
  U5 U6: Built_By=EMA_Justin, Manufacturer_Part_Number=IRLML6402TRPBF, Source_Library=Infineon_2020-02-27.xlr, SourceLibrary=Infineon_2020-02-27, Vendor=Infineon
M8: library part Holybro, Supplier=https://www.lazada.vn/products/ld-holybro-433mhz-915-mhz-500-mw-thu-phat-vo-tuyen-xa-bo-v3-cho-pixhawk-4-dieu-khien-chuyen-bay-i430804435-s768474304.html?spm=a2o4n.searchlist.list.4.25396b19yIS9XO&search=1
P1 P2: "WR-TBL Serie 322 Horizontal PCB Header, Pluggable, pitch 3.81mm, 2p", Operating Temperature="-40 to +105degC", Rated Current [UL]=10A, Working Voltage [UL]=300VAC, Application=Pluggable, Compliance=RoHS, ComponentLink1Description=Manufacturer, ComponentLink1URL=http://www.we-online.de, ComponentLink2Description=Datasheet, ComponentLink2URL=https://katalog.we-online.de/em/datasheet/691322310002.pdf, Modularity=No, Mounting Technology=THT, Packaging=Box, Part Number=691322310002, PCB/Cable/Panel=PCB, Pin Number=2, Pitch=3.81mm, Published Date="October 2019", Publisher="Wurth Elektronik", Type=Horizontal
P3 P9 P11 P25 P26 P30: "Header, 2-Pin", LatestRevisionDate=17-Jul-2002, LatestRevisionNote="Re-released for DXP Platform.", Publisher="Altium Limited"
P4 P10 P14 P15 P16 P17 P18 P19 P20 P21 P22 P23 P29: "Header, 3-Pin", LatestRevisionDate=17-Jul-2002, LatestRevisionNote="Re-released for DXP Platform.", Publisher="Altium Limited"
P5 P6: library part "Header 3", "Header, 3-Pin", LatestRevisionDate=17-Jul-2002, LatestRevisionNote="Re-released for DXP Platform.", Publisher="Altium Limited"
P7 P8 P12 P13: "WR-TBL Serie 322 Horizontal PCB Header, Pluggable, pitch 3.81mm, 4p", Operating Temperature="-40 to +105degC", Rated Current [UL]=10A, Working Voltage [UL]=300VAC, Application=Pluggable, Compliance=RoHS, ComponentLink1Description=Manufacturer, ComponentLink1URL=http://www.we-online.de, ComponentLink2Description=Datasheet, ComponentLink2URL=https://katalog.we-online.de/em/datasheet/691322310004.pdf, Modularity=No, Mounting Technology=THT, Packaging=Box, Part Number=691322310004, PCB/Cable/Panel=PCB, Pin Number=4, Pitch=3.81mm, Published Date="October 2019", Publisher="Wurth Elektronik", Type=Horizontal
P24: "Header, 6-Pin", LatestRevisionDate=17-Jul-2002, LatestRevisionNote="Re-released for DXP Platform.", Publisher="Altium Limited"
P27 tsts1: "Header, 4-Pin", LatestRevisionDate=17-Jul-2002, LatestRevisionNote="Re-released for DXP Platform.", Publisher="Altium Limited"
P28: "Header, 5-Pin", LatestRevisionDate=17-Jul-2002, LatestRevisionNote="Re-released for DXP Platform.", Publisher="Altium Limited"
R3 R5 R8 R15 R17 R19 R21 R22 R23 R25 R27 R28 R29 R30 R31: "RES 0 OHM JUMPER 0805", Manufacturer="Vishay Dale", Manufacturer Part Number=WSL080500000ZEA9, Supplier 1 Part Number=541-3928-1-ND, Local Supplier=thegioiic, Local Supplier Link=https://thegioiic.com/products/dien-tro-0-ohm-0805-5, Supplier 1=Digikey, Supplier 1 Link=https://www.digikey.com/product-detail/en/vishay-dale/WSL080500000ZEA9/541-3928-1-ND/7423223
R4: "RES 12 KOHM JUMPER 0805", Manufacturer="Vishay Thin Film", Manufacturer Part Number=PAT0805E3121BST1, Supplier 1 Part Number=PAT0805E3121BST1-ND, Local Supplier=icdayroi, Local Supplier Link=https://icdayroi.com/dien-tro-12k-0805-1-goi-50-con, Supplier 1=Digikey, Supplier 1 Link=https://www.digikey.com/product-detail/en/vishay-thin-film/PAT0805E3121BST1/PAT0805E3121BST1-ND/2281536
R18 R20 R24 R26: "RES 470 OHM JUMPER 0805", Manufacturer=YAG6006CT-ND, Manufacturer Part Number=PE0805FRF7W0R047L, Local Supplier=thegioiic, Local Supplier Link=https://www.thegioiic.com/products/dien-tro-470-kohm-0805-5, Supplier 1=Digikey, Supplier 1 Link=https://www.digikey.com/product-detail/en/yageo/PE0805FRF7W0R047L/YAG6006CT-ND/9696460, Supplier 1 Part Number=YAG6006CT-ND
S1 S2 S5 S6 S7: "WS-TASV J-Bend SMT Tact Switch 6x3.5mm, height 4.3mm, 260gf", Operating Temperature="-40 to +85degC", Rated Current=50mA, Rated Voltage=12VDC, ComponentLink1Description=Manufacturer, ComponentLink1URL=http://www.we-online.de, ComponentLink2Description=Datasheet, ComponentLink2URL=https://katalog.we-online.com/em/datasheet/434113043826.pdf, Contact Material="Stainless Steel", Contact Plating=Silver, Height=4.3mm, Mounting Technology=SMT, Operation Force=260gf, Packaging="Tape and Reel", Part Number=434113043826, Published Date="September 2019", Publisher="Wurth Elektronik", Terminal Material="Copper Alloy", Terminal Plating=Silver, Washable=No
S3 S4: "WS-DITV Compact THT Dip Switch, Flat Actuator, pitch 2.54mm, 3p", Operating Temperature="-40 to +85degC", Rated Current Non-Switching=100mA, Rated Current Switching=25mA, Rated Voltage Non-Switching=50VDC, Rated Voltage Switching=24VDC, Actuator Type="Flat Type", Circuit=SPST-NO, ComponentLink1Description=Manufacturer, ComponentLink1URL=http://www.we-online.de, ComponentLink2Description=Datasheet, ComponentLink2URL=https://katalog.we-online.com/em/datasheet/418117170903.pdf, Contact Material="Copper Alloy", Contact Plating=Gold, Mounting Technology=THT, Operation Force=800g, Packaging=Tube, Part Number=418117170903, Pitch=2.54mm, Pole Number=3, Published Date="September 2019", Publisher="Wurth Elektronik"
U8: Manufacturer_Name="Decawave Limited", Arrow Part Number=DWM1001, Datasheet Link=https://www.decawave.com/sites/default/files/dwm1001_datasheet.pdf, Height=3mm, Manufacturer_Part_Number=DWM1001
*1: Local supply=Hshop, Local supply link=https://www.elecrow.com/download/ESP-12F.pdf
C23: Built_By=EMA_UL_Team, Copyright="Copyright (C) 2018 Accelerated Designs. All rights reserved", Manufacturer_Part_Number=TAJB107M006RNJ, RefDes=RefDes, SourceLibrary=AVX_2015-1-12, Type=DEV, Vendor="AVX Corporation"
CR1: Built_By=EMA_UL_Team, Copyright="Copyright (C) 2018 Accelerated Designs. All rights reserved", Manufacturer_Part_Number=STM32F103C8T6, RefDes=RefDes, SourceLibrary=StMicro_2011-06-07, Type=DEV, Vendor=STMicroelectronics
IC1 IC2 IC3 IC4: Built_By=EMA_Matt, Copyright="Copyright (C) 2018 Accelerated Designs. All rights reserved", Manufacturer_Part_Number=AMS1117, RefDes=RefDes, SourceLibrary=Advanced_Monolithic_Systems_10-16-2019, Type=DEV, Vendor="Advanced Monolithic Systems"
M5: Local supply=Hshop
M6: Local supply=Hshop, Local supply link=https://lastminuteengineers.com/nrf24l01-arduino-wireless-communication/
M7: Local supply=HShop, Local supply link=https://hshop.vn/products/mach-thu-phat-rf-uart-lc12s-2-4ghz
M9: Local supply=Hshop, Local supply link=https://hshop.vn/products/mach-thu-phat-rf-uart-si4463-433mhzkhoang-coch-1km, Local supply number=HS000897
U2: Built_By=EMA_UL_Team, Copyright="Copyright (C) 2018 Accelerated Designs. All rights reserved", Manufacturer_Part_Number=XC6204B181MR, RefDes=RefDes, SourceLibrary=Torex_2016-07-05_1, Type=DEV, Vendor="Torex Semiconductor"
U3: Copyright="Copyright (C) 2016 Accelerated Designs. All rights reserved", Manufacturer_Part_Number=74HC14D,652, RefDes=RefDes, SourceLibrary=Nexperia_2018-05-2018, Type=DEV, Vendor=Nexperia
U7: Built_By=EMA_UL_Team, Copyright="Copyright (C) 2018 Accelerated Designs. All rights reserved", Manufacturer_Part_Number=CP2102-GM, RefDes=RefDes, SourceLibrary=Silicon_Labs_2015-03-23, Type=DEV, Vendor="Silicon Labs"

## Free pads (board coordinates)
  round 3.1 hole 3: 42(22.53,22.428)

## Via types
v1: diameter 1.27, hole 0.508, Top Layer to Bottom Layer, 1 vias

## Nets (pads, with @x,y where several pads share a name; then routed paths per layer and width w, separated by ;. In a path a pad name is that pad's centre, name@x,y a point inside that pad or via, vN(x,y) a via of type N, cw(c..) or ccw(c..) an arc to the next point about the centre after c; other vN are vias at no path point)
"3V3 MCU": P5.1 P6.3
3v3_BLU: C8.2 IC4.2 IC4.4 M5.12 S5.1
3v3_DWM: C7.2 IC3.2 IC3.4 P30.2
3V3_DWM_M: C33.2 P27.4 P30.1 R28.2 R29.2 R30.2 R31.1 R32.2 R33.2 U8.12
3V3_MC: C4.2 C5.2 C13.2 C14.2 C15.2 C16.2 C17.2 CR1.9 CR1.24 CR1.36 CR1.48 D1.1 IC2.2 IC2.4 M1.1 M2.3 M2.4 M3.3 M3.4 P7.1 P8.1 P10.1 R3.2 R5.2 R9.2 R10.2 R11.2 R12.2 R13.2 R14.2 U3.14 | length 3.3
  Top Layer w0.254: CR1.24 v1(80.797,48.489)
  Bottom Layer w0.254: C13.2 v1(80.797,48.489)
3V3_RF: C10.2 C29.2 M6.2 P25.2 P26.2 U2.5
3v3_WIFI: *1.8 C6.2 C23.2 C25.2 C26.2 IC1.2 IC1.4 R17.1 R19.1 R20.1 R21.1 R22.1 U7.6 U7.7
5V: B1.1 C3.2 C9.2 C21.2 C31.2 IC2.3 IC3.3 IC4.3 J1.1 M4.5 M8.1 P1.1 P3.1 P10.3 R1.2 U1.2 U2.1
5V_USB: D5.2 J2.1
5V_WIFI: C27.2 C28.2 D5.1 IC1.3 P3.2 U7.8
12V: C1.2 C2.2 P2.1 P9.1 P11.1 U1.1
12V_STEP: C19.2 C20.2 M2.9 M3.9 P9.2 P11.2
BLU_KEY_HC05: M5.34 P22.1
BLU_KEY_HC06: M5.26 P22.3
BLUE_KEY: C22.2 CR1.32 P22.2 R15.1 S5.2
BLUE_RX: CR1.30 M4.2 M5.2 P23.2
BLUE_TX: CR1.31 M4.3 M5.1 P23.1
BOOT0: P5.2 R6.2
BOOT1: P6.2 R7.2
BTN: C12.2 CR1.18 R5.1 S2.1
BUZZER: CR1.2 R4.1
CP2102_DTR: Q4.2 R25.1 U7.28
CP2102_RTS: Q3.2 R27.2 U7.24
DWM_BLE_WK: C35.2 R33.1 S7.1 U8.32
DWM_nRST: C34.2 R32.1 S6.1 U8.33
DWM_READY: tsts1.2 U8.19
DWM_RX: tsts1.3 U8.18
DWM_RX_LED: R35.2 U8.31
DWM_SCL: P29.1 U8.25
DWM_SDA: P29.2 U8.23
DWM_SPI_CLK: CR1.26 P28.3 U8.28
DWM_SPI_CSn: CR1.25 P28.2 U8.29
DWM_SPI_MISO: CR1.27 P28.5 U8.26
DWM_SPI_MOSI: CR1.28 P28.4 U8.27
DWM_SWCLK: P27.2 U8.2
DWM_SWDIO: P27.1 U8.3
DWM_TX: tsts1.1 U8.20
DWM_TX_LED: R34.2 U8.30
ENC_1A: P7.2 U3.1
ENC_1B: P7.3 U3.3
ENC_2A: P8.2 U3.5
ENC_2B: P8.3 U3.9
ESP_ADC: *1.2
ESP_ENB: *1.3 R21.2
ESP_GPIO0: *1.18 Q4.3 R17.2
ESP_GPIO2: *1.17 R19.2
ESP_GPIO4: *1.19
ESP_GPIO5: *1.20
ESP_GPIO9: *1.11
ESP_GPIO10: *1.12
ESP_GPIO12: *1.6
ESP_GPIO13: *1.7
ESP_GPIO14: *1.5
ESP_GPIO15: *1.16 R23.2
ESP_GPIO16: *1.4
ESP_nRST: *1.1 C24.2 Q3.3 R22.2
ESP_RX: *1.21 R20.2 U5.2 U6.2
ESP_SPI_CLK: *1.14
ESP_SPI_INT: *1.13
ESP_SPI_MISO: *1.10
ESP_SPI_MOSI: *1.9
ESP_TX: *1.22 CR1.13 U7.25
GND: *1.15 C1.1 C2.1 C4.1 C5.1 C6.1 C7.1 C8.1 C9.1 C10.1 C11.1 C12.1 C13.1 C14.1 C15.1 C16.1 C17.1 C18.1 C19.1 C20.1 C21.1 C22.1 C23.1 C24.1 C25.1 C26.1 C27.1 C28.1 C29.1 C30.1 C31.1 C32.1 C33.1 C34.1 C35.1 CR1.8 CR1.23 CR1.35 CR1.47 D2.2 D3.2 D10.2 D11.2 IC1.1 IC2.1 IC3.1 IC4.1 J1.3 J2.5 M1.2 M2.10 M2.16 M3.10 M3.16 M4.4 M5.13 M5.21 M5.22 M6.1 M7.6 M8.6 M9.2 P1.2 P2.2 P4.3 P5.3 P6.1 P7.4 P8.4 P16.3 P17.3 P20.3 P21.3 P23.3 P24.1 P27.3 P28.1 P29.3 Q1.2 Q2.2 R15.2 R23.1 R26.1 S1.2 S2.2 S3.1 S3.2 S3.3 S4.1 S4.2 S4.3 S6.2 S7.2 tsts1.4 U1.3 U2.2 U3.7 U4.10 U4.19 U5.3 U6.3 U7.3 U7.29 U8.1 U8.11 U8.24 U8.34
LED: CR1.29 J1.2 R8.1
MTR1_A1: M2.13 P14.1
MTR1_A2: M2.14 P15.1
MTR1_B1: M2.12 P16.1
MTR1_B2: M2.11 P17.1
MTR1_C1: P12.1 P14.2
MTR1_C2: P12.2 P15.2
MTR1_C3: P12.3 P16.2
MTR1_C4: P12.4 P17.2
MTR1_DIR: M2.1 M3.1 P15.3 U4.17
MTR1_ENB: M2.8 U4.14
MTR1_PWM: M2.2 P14.3 U4.18
MTR2_A1: M3.13 P18.1
MTR2_A2: M3.14 P19.1
MTR2_B1: M3.12 P20.1
MTR2_B2: M3.11 P21.1
MTR2_C1: P13.1 P18.2
MTR2_C2: P13.2 P19.2
MTR2_C3: P13.3 P20.2
MTR2_C4: P13.4 P21.2
MTR2_DIR: P19.3 U4.15
MTR2_ENB: M3.8 U4.13
MTR2_PWM: M3.2 P18.3 U4.16
Net1_1: 1.1 M5.31
Net1_2: 1.2 D2.1
NetB1_2: B1.2 Q2.3
NetC30_2: C30.2 M7.1 P24.6 P25.1
NetC32_2: C32.2 M9.1 P26.1
NetCR1_3: CR1.3 U4.3
NetCR1_4: CR1.4 U4.6
NetCR1_5: CR1.5 U4.5
NetCR1_6: CR1.6 U4.7
NetCR1_10: CR1.10 U4.2
NetCR1_11: CR1.11 U4.4
NetCR1_12: CR1.12 R18.1
NetCR1_14: CR1.14 M5.11
NetCR1_15: CR1.15 R2.2
NetCR1_16: CR1.16 U3.2
NetCR1_17: CR1.17 U3.4
NetCR1_20: CR1.20 R7.1
NetCR1_33: CR1.33 M6.8
NetCR1_38: CR1.38 M6.4
NetCR1_39: CR1.39 M6.5
NetCR1_40: CR1.40 M6.7
NetCR1_41: CR1.41 M6.6
NetCR1_42: CR1.42 U3.8
NetCR1_43: CR1.43 U3.6
NetCR1_44: CR1.44 R6.1
NetCR1_45: CR1.45 M1.3
NetCR1_46: CR1.46 M1.4
NetD1_2: D1.2 R8.2
NetD3_1: D3.1 R16.2
NetD4_1: D4.1 U7.12
NetD4_2: D4.2 R26.2
NetD6_1: D6.1 R28.1
NetD6_2: D6.2 U8.7
NetD7_1: D7.1 R29.1
NetD7_2: D7.2 U8.8
NetD8_1: D8.1 R30.1
NetD8_2: D8.2 U8.9
NetD9_2: D9.2 U8.10
NetD10_1: D10.1 R34.1
NetD11_1: D11.1 R35.1
NetM2_5: M2.5 R9.1 S3.6
NetM2_6: M2.6 R10.1 S3.5
NetM2_7: M2.7 R11.1 S3.4
NetM3_5: M3.5 R12.1 S4.6
NetM3_6: M3.6 R13.1 S4.5
NetM3_7: M3.7 R14.1 S4.4
NetM5_24: M5.24 R16.1
NetM6_3: M6.3
NetQ1_1: Q1.1 R2.1
NetQ1_3: Q1.3 R1.1 U2.3
NetQ2_1: Q2.1 R4.2
NetQ3_1: Q3.1 R25.2
NetQ4_1: Q4.1 R27.1
NetR18_2: R18.2 U5.1
NetR24_1: R24.1 U6.1
NetR24_2: R24.2 U7.26
NRST: C11.2 CR1.7 R3.1 S1.1
RF_CS: M7.5 P24.2
RF_RXD: CR1.21 M7.2 M8.2 M9.3 P24.5
RF_SET: CR1.19 M7.4 M9.5 P24.3
RF_TXD: CR1.22 M7.3 M8.3 M9.4 P24.4
SWCLK: CR1.37 P4.2
SWDIO: CR1.34 P4.1
USB_D_N: J2.2 U7.5
USB_D_P: J2.3 U7.4
VCC_245: C18.2 P10.2 U4.1 U4.20
pads on no net: C3.1 CR1.1 D9.1 J2.4 J2.6 J2.7 J2.10 J2.11 J2.S_1 J2.S_1_H1 J2.S_1_H2 J2.S_2 J2.S_2_H1 J2.S_2_H2 M1.5 M1.6 M1.7 M1.8 M1.9 M1.10 M2.15 M3.15 M4.1 M4.6 M5.3 M5.4 M5.5 M5.6 M5.7 M5.8 M5.9 M5.10 M5.14 M5.15 M5.16 M5.17 M5.18 M5.19 M5.20 M5.23 M5.25 M5.27 M5.28 M5.29 M5.30 M5.32 M5.33 M8.4 M8.5 R31.2 U2.4 U3.10 U3.11 U3.12 U3.13 U4.8 U4.9 U4.11 U4.12 U7.1 U7.2 U7.9 U7.10 U7.11 U7.13 U7.14 U7.15 U7.16 U7.17 U7.18 U7.19 U7.20 U7.21 U7.22 U7.23 U7.27 U8.4 U8.5 U8.6 U8.13 U8.14 U8.15 U8.16 U8.17 U8.21 U8.22
copper on no net: | length 340
  Top Layer w0.254: 20,20 120,20 120,90 20,90 20,20

## Keep-outs
Keep-Out Layer:
  lines w0.254: 6,117.221 6,20 110,20 110,117.221

## Text inside footprints (layer, text, board x,y; h text height)
CR1: Top Overlay "*" at 71.082,55.451 h1.27
S3: Top Overlay "3" at 68.196,33.2 h1.02; Top Overlay "ON" at 62.686,37.8 h1.02; Top Overlay "1" at 63.256,33.2 h1.02; Top Overlay "2" at 65.656,33.2 h1.02; Mechanical 13 "3" at 68.196,33.2 h1.02; Mechanical 13 "1" at 63.256,33.2 h1.02; Mechanical 13 "ON" at 62.686,37.8 h1.02; Mechanical 13 "2" at 65.656,33.2 h1.02
S4: Top Overlay "3" at 58.291,33.2 h1.02; Top Overlay "ON" at 52.781,37.8 h1.02; Top Overlay "1" at 53.351,33.2 h1.02; Top Overlay "2" at 55.751,33.2 h1.02; Mechanical 13 "3" at 58.291,33.2 h1.02; Mechanical 13 "1" at 53.351,33.2 h1.02; Mechanical 13 "ON" at 52.781,37.8 h1.02; Mechanical 13 "2" at 55.751,33.2 h1.02
U1: Top Overlay "*" at 34.125,82.745 h1.27 r270
U3: Bottom Overlay "*" at 51.435,52.121 h1.27 r90
U4: Bottom Overlay "*" at 84.715,43.347 h1.27 r90
U7: Top Overlay "*" at 102.975,81.252 h1.27